# Altium PCB roach2.PcbDoc (part 6 of 39) (continued)
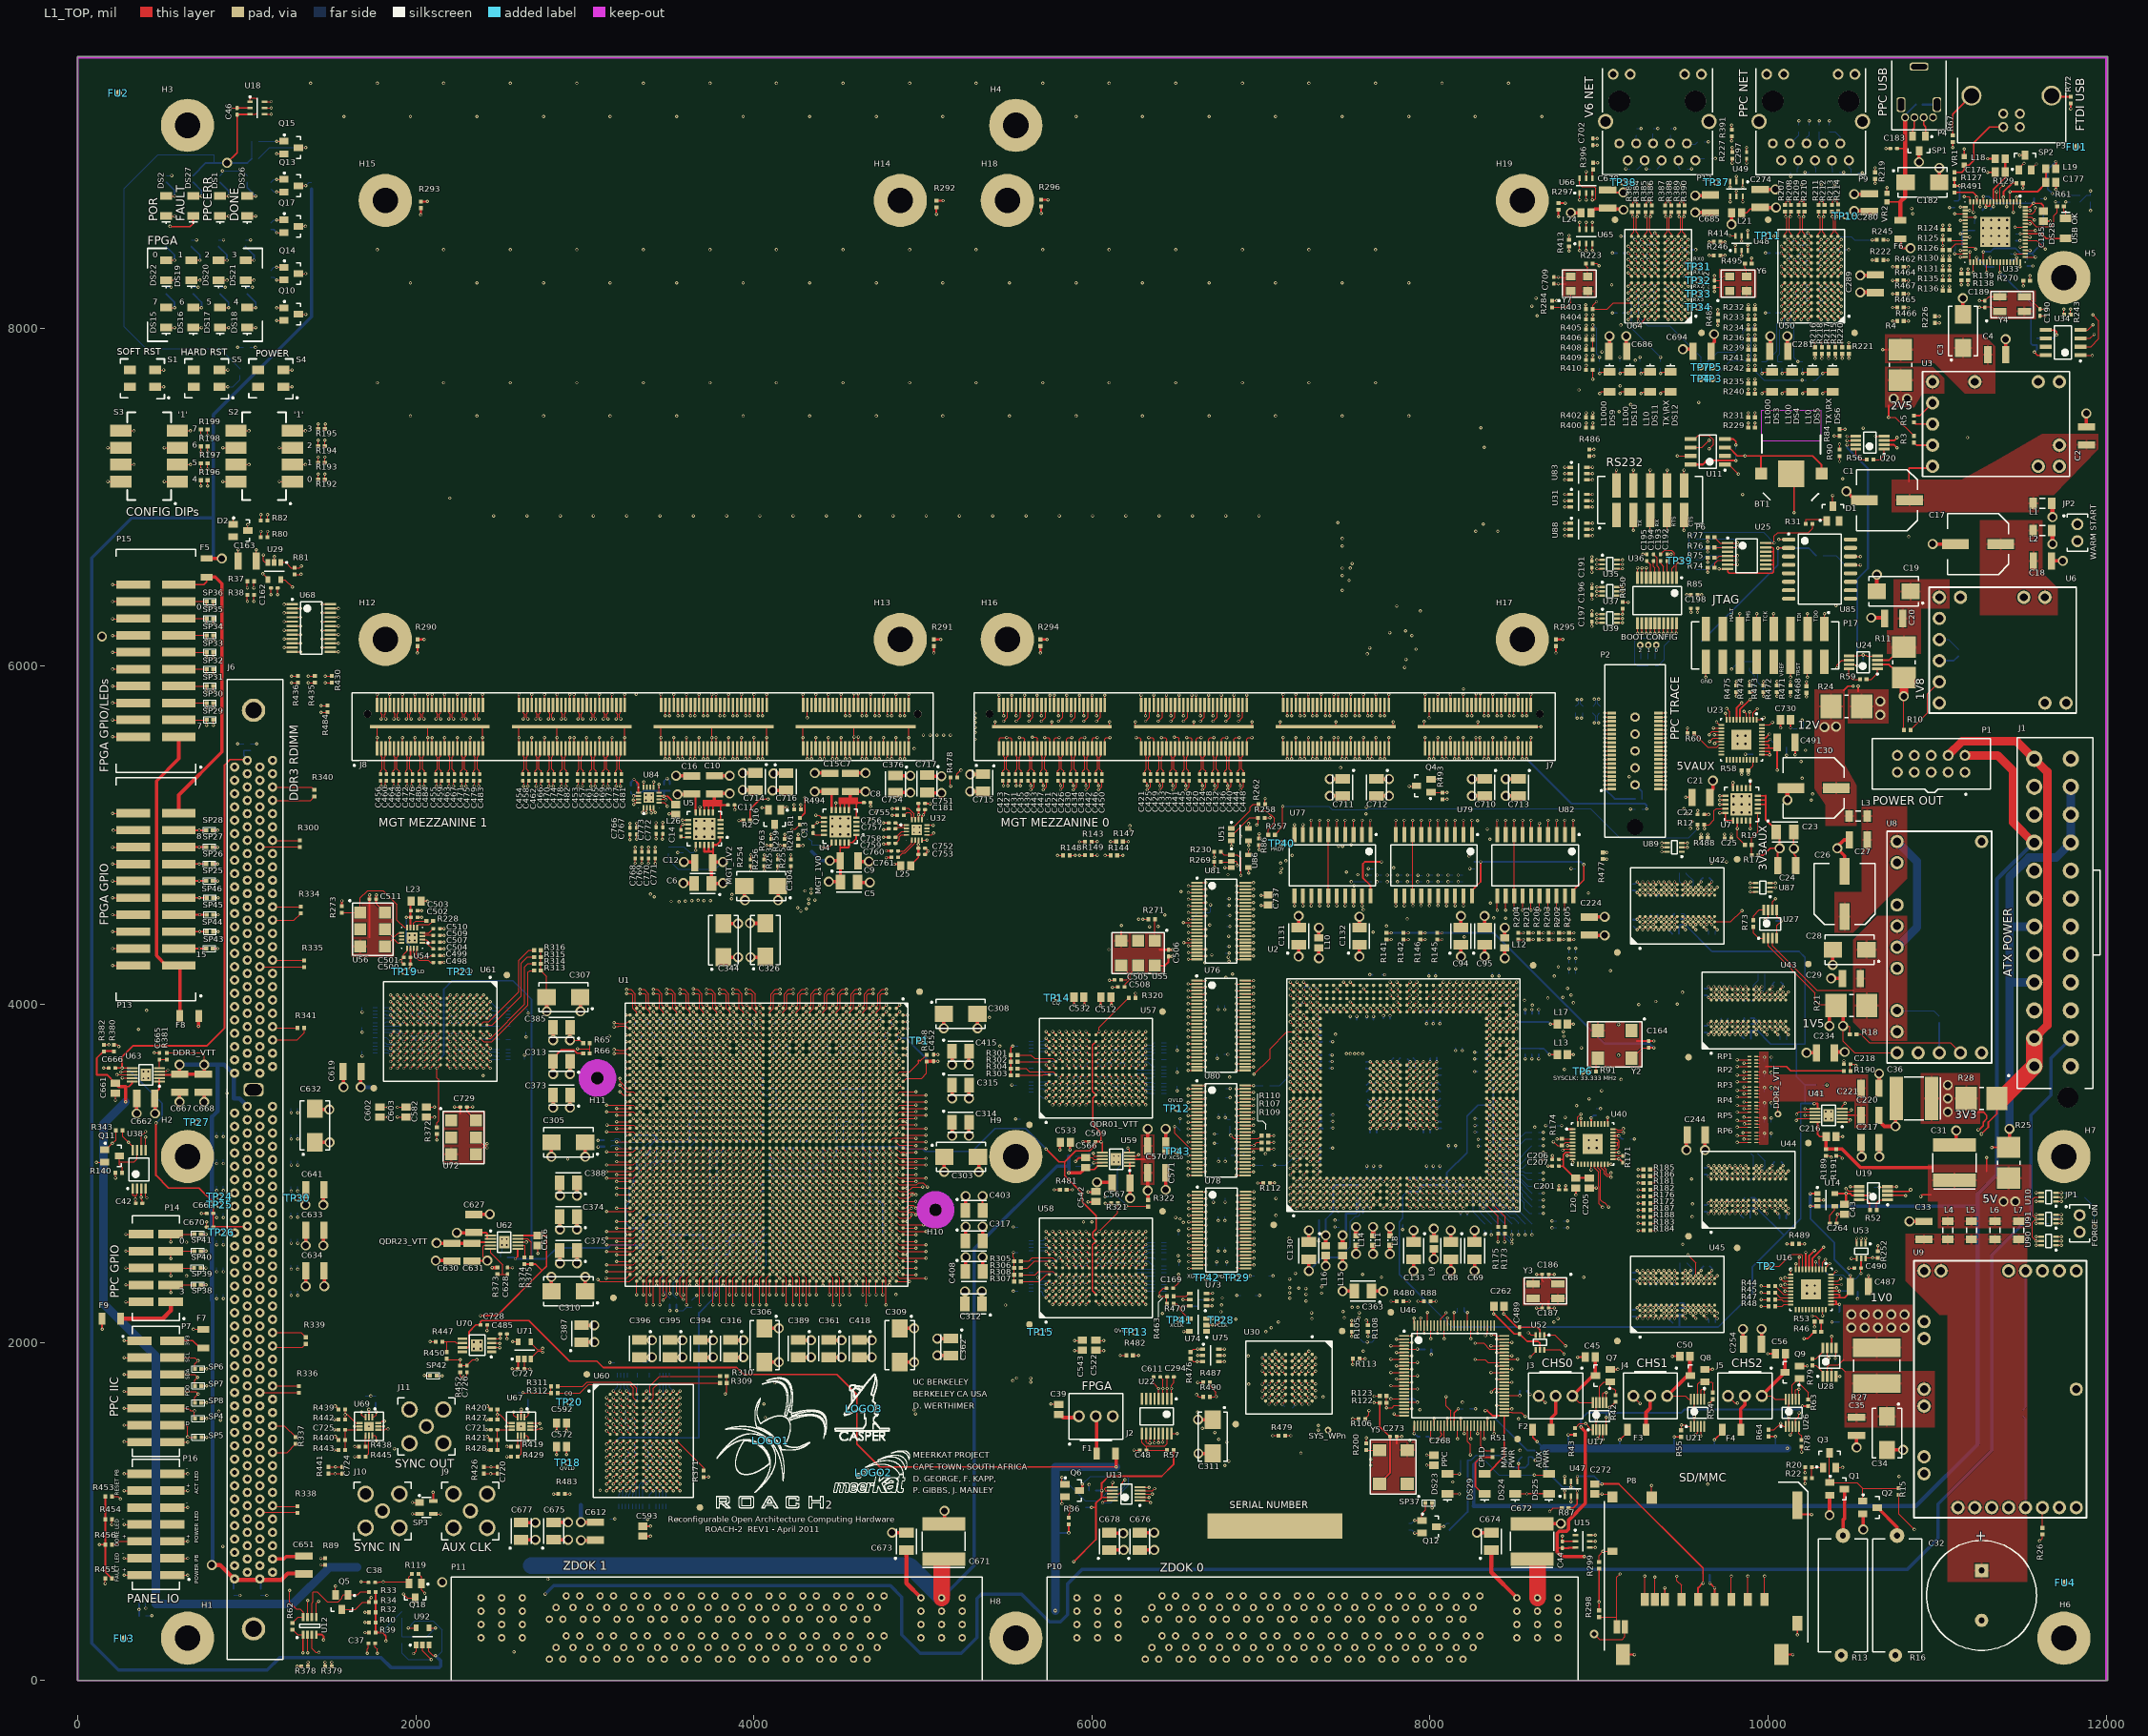
[diagram p0: L1_TOP view]
## Nets (pads, with @x,y where several pads share a name; then routed paths per layer and width w, separated by ;. In a path a pad name is that pad's centre, name@x,y a point inside that pad or via, vN(x,y) a via of type N, cw(c..) or ccw(c..) an arc to the next point about the centre after c; other vN are vias at no path point) (continued)
  L1_TOP w12: C662.2@456.14,3442.99 456.14,3472.52 481.73,3498.11 481.73,3561.34 U63.2@483.7,3563.31 ; 3791.99,5183.99 3796.99,5178.99 C11.2@3847.31,5178.99 ; 4595.99,5197.99 4600.99,5192.99 C8.2@4651.31,5192.99 ; v2@6114.99,3998.99 C512.2@6114.99,4030.99
  L1_TOP w20: v5(457.35,3354.14) C662.2@457.35,3409.14 ; v7(715,3870) 715.12,3870.12 F8.1@715.12,3930 ; v5(1347.99,2812.99) C641.2@1347.99,2898.58 ; v5(1348.35,2332.99) C634.2@1348.35,2418.58 ; v5(1348.35,2572.99) C633.2@1348.35,2658.58 ; C632.1@1404.37,3182.99 v5(1489.96,3182.99) ; v5(2242.99,2647.99) C627.2@2328.58,2647.99 ; v11(2912.99,3387.99) C373.1@2912.99,3473.58 ; v11(2952.99,2467.99) C375.1@2952.99,2553.58 ; v11(2952.99,2667.99) C374.1@2952.99,2753.58 ; C387.1@2970.52,2001.09 v11(3056.11,2001.09) ; C396.1@3312.4,2012.99 v11(3397.99,2012.99) ; C395.1@3492.4,2012.99 v11(3577.99,2012.99) ; C394.1@3672.4,2012.99 v11(3757.99,2012.99) ; 3766.99,5183.99 C10.2@3766.99,5245.84 ; C10.2@3771.4,5247.14 v5(3856.99,5247.14) ; v11(4115.99,5365.99) C716.1@4201.58,5365.99 ; 4570.99,5197.99 C7.2@4570.99,5259.84 ; C7.2@4575.4,5257.99 v5(4660.99,5257.99) ; C376.1@4840.4,5352.99 v5(4925.99,5352.99) ; C717.1@5024.4,5349.99 v5(5109.99,5349.99) ; v5(5172.99,3642.99) C415.1@5172.99,3728.58 ; C408.1@5252.99,2419.41 v5(5252.99,2505) ; C403.1@5252.99,2779.41 v5(5252.99,2865) ; v5@6222.99,2862.99 6226.14,2866.14 C567.2@6226.14,2942.99 ; v5(7562.99,2522.99) L14.1@7562.99,2568.46 ; v5@7662.99,2532.99 L11.1@7662.99,2568.46 ; C363.1@7667.52,2302.99 v5@7712.99,2302.99 ; C712.1@7672.4,5332.99 v11(7757.99,5332.99) ; v5(7762.99,2522.99) L8.1@7762.99,2568.46 ; v11(8447.99,5332.99) C713.1@8533.58,5332.99 ; v5(10362.99,3872.99) R21.2@10362.99,3952.99 ; v5(10442.99,3872.99) R21.2@10442.99,3952.99
  L3_S w5: v7(10775,1207) 10877,1105 11640.98,1105 U9.20@11722.99,1022.99
  L5_S w3.8: v1@4907.57,2716.54 v1@4909.14,2714.97
  L16_BOT w5: v8(862.68,2257.99) C636.2@862.68,2282.99 ; v8(862.68,2417.99) C635.2@862.68,2442.99 ; v8(862.68,2577.99) C640.2@862.68,2602.99 ; v8(862.68,2737.99) C642.2@862.68,2762.99 ; v8(862.68,2897.99) C638.2@862.68,2922.99 ; v8(862.68,3057.99) C637.2@862.68,3082.99 ; v8(862.68,3217.99) C639.2@862.68,3242.99 ; v8(1261.34,2739.99) C647.2@1261.34,2764.99 ; v8(1263.31,2277.99) C650.2@1263.31,2302.99 ; v8(1263.31,2432.28) C649.2@1263.31,2457.28 ; v8(1263.31,2586.56) C648.2@1263.31,2611.56 ; v8(1263.31,2895.13) C646.2@1263.31,2920.13 ; v8(1263.31,3049.42) C645.2@1263.31,3074.42 ; v8(1263.31,3203.71) C644.2@1263.31,3228.71 ; v8(1263.31,3357.99) C643.2@1263.31,3382.99 ; v2(3542.99,2187.99) 3583.99,2187.99 3602.67,2206.67 3631.36,2206.67 R325.2@3635,2210.31 ; R317.2@3624.69,3160 3660,3195.31 3660,3228 v1@3640,3248 ; v1(3798.31,3128.38) 3814.38,3128.38 3820,3134 3820,3155.31 R328.2@3824.69,3160 ; v1(4034.53,2419.72) 4075,2460.19 R319.2@4075,2550.31 ; R330.2@4075,3019.69 4089.69,3019.69 4098,3028 4350.76,3028 4372.41,3049.64 v1(4388.87,3049.64) ; R332.2@4529.69,3180 4529.69,3301.69 4536,3308 4563.58,3308 v1@4585.4,3286.19
  L16_BOT w10: v1@2008.41,3740.68 2028.09,3721 v1@2047.77,3740.68 ; v1@2008.4,3937.54 2028.09,3957.22 2067.46,3917.85 v1@2087.14,3937.54 ; v1@2126.51,3740.68 2127.5,3740.68 2146.16,3759.35 C577.2@2148.17,3761.36 ; C576.2@2182.62,3760.37 2202.3,3740.68 v1@2205.26,3740.68 ; v1@2205.26,3937.54 2224.94,3917.85 v1(2244.1,3937.01) v1@2244.63,3937.54 ; v1@2246.59,3737.73 2263.33,3721 C575.2@2264.31,3721 ; C575.2@2263.33,3720.02 v1@2284,3740.68 ; v1(2283.47,3937.01) C574.2@2303.15,3956.69 ; v1@3247.5,1280.06 C586.2@3228.35,1299.21 3227.82,1299.74 3267.19,1339.11 v1(3248.03,1358.27) v1@3247.5,1358.8 ; v1@3247.5,1476.91 3267.19,1496.59 v1(3248.03,1515.75) 3247.5,1516.28 C583.2@3228.35,1535.43 v1(3248.03,1555.12) ; v1@3287.4,2696.85 C369.2@3306.09,2715.54 C369.2@3307.09,2716.54 ; v1@3326.77,2972.44 C367.2@3346.46,2992.13 ; v1@3366.14,3287.4 C401.2@3384.84,3268.7 ; v1@3405.51,2736.22 C390.2@3425.19,2716.54 ; C587.2@3423.68,1419.82 3444.35,1399.15 v1@3444.35,1398.17 ; C588.2@3424.67,1454.27 3444.35,1473.96 v1@3444.35,1476.91 ; v1@3444.35,1280.06 3464.04,1299.74 v1(3444.88,1318.9) v1@3444.35,1319.43 ; v1@3444.35,1555.65 v1(3444.88,1555.12) C589.2@3464.57,1535.43 C589.2@3465.02,1534.98 ; v1@3444.88,2618.11 C377.2@3463.57,2636.8 C377.2@3464.57,2637.8 ; v1@3447.31,1518.25 3464.04,1534.98 C589.2@3464.04,1535.96 ; v1@3641.73,2421.26 C381.2@3660.42,2439.94 C381.2@3661.42,2440.94 ; v1@3720.47,2578.74 C379.2@3739.16,2597.43 C379.2@3740.16,2598.43 ; v1@3720.47,3405.51 C404.2@3739.17,3386.81 ; v1@3956.69,2657.48 C383.2@3975.38,2676.17 C383.2@3976.38,2677.17 ; C416.2@4331.69,3227.36 v1@4350.39,3208.66 ; C411.2@4370.08,3464.57 v1@4389.76,3484.25 ; C399.2@4371.06,3069.88 v1@4389.76,3051.18 ; C409.2@4489.17,3542.32 v1@4507.87,3523.62 ; C413.2@4566.93,3267.72 4585.4,3286.19 v1@4586.62,3287.4 ; C397.2@4567.92,2873.03 v1@4586.62,2854.33 ; v1@5885.3,2538.84 C523.2@5905.96,2559.51 ; v1(5885.83,2342.52) C530.2@5905.51,2322.83 ; v1(5885.83,3720.47) C515.2@5906.49,3741.14 ; C523.2@5904.98,2558.53 5905.97,2558.53 v1@5922.7,2541.79 ; C516.2@5905.51,3503.94 v1(5925.2,3523.62) C513.2@5944.88,3543.31 v1(5964.57,3523.62) ; C515.2@5905.51,3740.16 5906.5,3740.16 v1@5923.23,3723.43 ; v1@5924.67,2341.99 5944.35,2361.68 v1@5964.04,2341.99 ; v1@5964.04,2538.84 5966.99,2538.84 C524.2@5986.67,2519.16 ; v1(5964.57,3720.47) 5967.52,3720.47 C518.2@5987.2,3700.79 ; C525.2@6021.12,2518.17 6041.79,2538.84 v1@6042.78,2538.84 ; C514.2@6021.65,3699.8 6042.32,3720.47 v1(6043.31,3720.47) ; v1@6082.15,2341.99 6101.83,2361.68 6121.52,2341.99 6141.2,2322.31 C528.2@6141.73,2322.83 v1@6160.89,2341.99 ; v1(6082.68,3523.62) C517.2@6102.36,3543.31 v1(6122.05,3523.62) C520.2@6141.73,3503.94 v1(6161.42,3523.62) ; v1@6121.52,2538.84 6141.2,2558.53 v1@6160.89,2538.84 ; v1(6122.05,3720.47) C519.2@6141.73,3740.16 v1(6161.42,3720.47)
  L16_BOT w12: v2@3079.99,3157.99 R266.2@3115.31,3157.99 ; v2(3542.99,2187.99) R264.2@3542.99,2222.31 R264.2@3542.99,2223.31
  other v1: 3243.13,2439.41 4906.68,2715 3243.13,2833.11 4906.68,3108.7 3243.13,3226.81
  other v2: 6784.3,1922.99 6068.99,2010.99 3079.09,3156.46 2109.99,3391.99 6114.99,3994.99
  other v5: 7722.99,2302.99 7662.99,2522.99 6226.14,2852.99
1V5_PPC: C111.2 C112.2 C113.2 C114.2 C115.2 C116.2 C117.2 C118.2 C119.2 C120.2 C121.2 C122.2 C123.2 C124.2 C125.2 C126.2 C127.2 C128.2 C129.2 C132.1 C133.1 C136.2 C137.2 C138.2 C139.2 C140.2 C141.2 C142.2 C143.2 C144.2 C145.2 C146.2 C147.2 C148.2 C149.2 C150.2 C151.2 C152.2 C153.2 C154.2 L8.2 L11.2 L14.2 U2.AA5 U2.AA16 U2.AA19 U2.AA30 U2.AB5 U2.AB16 U2.AB19 U2.AB30 U2.AC5 U2.AC30 U2.AD5 U2.AD30 U2.AK11 U2.AK12 U2.AK13 U2.AK14 U2.AK15 U2.AK20 U2.AK21 U2.AK22 U2.AK23 U2.AK24 U2.E11 U2.E12 U2.E13 U2.E14 U2.E15 U2.E20 U2.E21 U2.E22 U2.E23 U2.E24 U2.L5 U2.L30 U2.M5 U2.M30 U2.N5 U2.N16 U2.N19 U2.N30 U2.P5 U2.P16 U2.P19 U2.P30 U2.R5 U2.R30 U2.T13 U2.T14 U2.T21 U2.T22 U2.W13 U2.W14 U2.W21 U2.W22 U2.Y5 U2.Y30 | length 3611.5
  L1_TOP w5: v1(7331.18,3187.4) U2.E11@7350.87,3207.09 ; v1(7331.18,3226.77) U2.E12@7350.87,3246.46 ; v1(7331.18,3266.14) U2.E13@7350.87,3285.83 ; v1(7331.18,3305.51) U2.E14@7350.87,3325.2 ; v1(7331.18,3344.88) U2.E15@7350.87,3364.57 ; v1(7331.18,3581.1) U2.E20@7350.87,3561.42 ; v1(7331.18,3620.47) U2.E21@7350.87,3600.79 ; v1(7331.18,3659.84) U2.E22@7350.87,3640.16 ; v1(7331.18,3699.21) U2.E23@7350.87,3679.53 ; v1(7331.18,3738.58) U2.E24@7350.87,3718.9 ; v1(7567.4,2951.18) U2.L5@7587.09,2970.87 ; v1(7567.4,3974.8) U2.L30@7587.09,3955.12 ; v1(7606.77,2951.18) U2.M5@7626.46,2970.87 ; v1(7606.77,3974.8) U2.M30@7626.46,3955.12 ; v1(7646.14,2951.18) U2.N5@7665.83,2970.87 ; v1(7646.14,3384.25) U2.N16@7665.83,3403.94 ; v1(7646.14,3541.73) U2.N19@7665.83,3522.05 ; v1(7646.14,3974.8) U2.N30@7665.83,3955.12 ; v1(7685.51,2951.18) U2.P5@7705.2,2970.87 ; v1(7685.51,3384.25) U2.P16@7705.2,3403.94 ; v1(7685.51,3541.73) U2.P19@7705.2,3522.05 ; v1(7685.51,3974.8) U2.P30@7705.2,3955.12 ; v1@7728.74,2955.04 U2.R5@7744.57,2970.87 ; v1@7728.74,3970.95 U2.R30@7744.57,3955.12 ; v1(7764.25,3266.14) U2.T13@7783.94,3285.83 ; v1(7764.25,3305.51) U2.T14@7783.94,3325.2 ; v1(7764.25,3620.47) U2.T21@7783.94,3600.79 ; v1(7764.25,3659.84) U2.T22@7783.94,3640.16 ; U2.W13@7902.05,3285.83 v1(7921.73,3266.14) ; U2.W14@7902.05,3325.2 v1(7921.73,3305.51) ; U2.W21@7902.05,3600.79 v1(7921.73,3620.47) ; U2.W22@7902.05,3640.16 v1(7921.73,3659.84) ; U2.Y5@7941.42,2970.87 v1(7961.1,2951.18) ; U2.Y30@7941.42,3955.12 v1(7961.1,3974.8) ; U2.AA5@7980.79,2970.87 v1(8000.47,2951.18) ; U2.AA16@7980.79,3403.94 v1(8000.47,3384.25) ; U2.AA19@7980.79,3522.05 v1(8000.47,3541.73) ; U2.AA30@7980.79,3955.12 v1(8000.47,3974.8) ; U2.AB5@8020.16,2970.87 v1(8039.84,2951.18) ; U2.AB16@8020.16,3403.94 v1(8039.84,3384.25) ; U2.AB19@8020.16,3522.05 v1(8039.84,3541.73) ; U2.AB30@8020.16,3955.12 v1(8039.84,3974.8) ; U2.AC5@8059.53,2970.87 v1(8079.21,2951.18) ; U2.AC30@8059.53,3955.12 v1(8079.21,3974.8) ; U2.AD5@8098.9,2970.87 v1(8118.58,2951.18) ; U2.AD30@8098.9,3955.12 v1(8118.58,3974.8) ; U2.AK11@8335.12,3207.09 v1(8354.8,3187.4) ; U2.AK12@8335.12,3246.46 v1(8354.8,3226.77) ; U2.AK13@8335.12,3285.83 v1(8354.8,3266.14) ; U2.AK14@8335.12,3325.2 v1(8354.8,3305.51) ; U2.AK15@8335.12,3364.57 v1(8354.8,3344.88) ; U2.AK20@8335.12,3561.42 v1(8354.8,3581.1) ; U2.AK21@8335.12,3600.79 v1(8354.8,3620.47) ; U2.AK22@8335.12,3640.16 v1(8354.8,3659.84) ; U2.AK23@8335.12,3679.53 v1(8354.8,3699.21) ; U2.AK24@8335.12,3718.9 v1(8354.8,3738.58)
  L1_TOP w20: v5@7582.99,4292.99 C132.1@7582.99,4338.46 ; C133.1@7902.99,2607.52 v5(7902.99,2662.99)
  L1_TOP w25: L14.2@7562.99,2630.55 v5(7562.99,2682.99) ; C132.1@7577.99,4357.99 7582.99,4352.99 C132.1@7582.99,4351.81 ; L11.2@7662.99,2630.55 v5(7662.99,2682.99) v5@7662.99,2697.99 ; L8.2@7762.99,2637.99 v5(7762.99,2682.99) v5@7762.99,2692.99
  L16_BOT w10: v1(7331.18,3266.14) 7362.2,3266.14 7363.78,3266.14 C125.2@7366.14,3263.78 ; v1(7331.18,3305.51) 7356.69,3305.51 7358.27,3307.09 C124.2@7362.2,3307.09 ; v1(7331.18,3344.88) 7355.91,3344.88 C123.2@7358.27,3342.52 ; v1(7331.18,3620.47) 7352.76,3620.47 7354.33,3622.05 C121.2@7358.27,3622.05 ; v1(7331.18,3659.84) 7352.76,3659.84 7354.33,3661.42 C120.2@7358.27,3661.42 ; v1(7331.18,3699.21) 7355.9,3699.21 7356.3,3698.82 7358.27,3696.85 C119.2@7358.27,3700.79 ; C153.2@7566.93,3909.45 v1(7566.93,3929.13) v1@7566.93,3933.07 ; v1@7602.36,2952.76 7603.78,2954.17 C127.2@7625.98,2976.38 ; C127.2@7625.98,2980.31 C127.2@7625.98,2976.38 ; C122.2@7625.98,3405.51 v1@7645.67,3385.83 ; C118.2@7625.98,3523.62 v1@7641.73,3539.37 ; v1@7645.67,3539.37 7646.14,3539.37 7649.61,3539.37 C115.2@7665.35,3523.62 7681.1,3539.37 v1@7685.04,3539.37 ; v1@7649.61,2952.76 7648.66,2953.7 v1@7645.67,2956.69 ; v1@7649.61,3381.89 7646.69,3384.8 v1@7645.67,3385.83 ; C128.2@7665.35,2980.31 C128.2@7665.35,2976.38 ; C152.2@7665.35,3909.45 v1(7665.35,3929.13) v1@7665.35,3933.07 ; v1@7681.1,2952.76 7682.52,2954.17 v1@7685.04,2956.69 ; v1@7685.04,3381.89 7685.04,3384.25 7685.04,3385.83 7666.34,3404.53 7665.35,3405.51 7664.37,3404.53 v1@7645.67,3385.83 ; C129.2@7704.72,2980.31 C129.2@7704.72,2976.38 ; v1@7724.41,2956.69 C129.2@7704.72,2976.38 ; v1@7763.78,3303.15 7779.53,3287.4 C113.2@7783.46,3287.4 v1@7767.72,3271.65 ; v1@7763.78,3622.05 C117.2@7783.46,3641.73 7764.8,3660.4 7763.78,3661.42 C154.2@7783.46,3681.1 ; C151.2@7763.78,3913.39 v1(7763.78,3933.07) v1@7763.78,3937.01 ; C116.2@7901.57,3641.73 C116.2@7902.56,3640.75 v1@7921.26,3622.05 ; C150.2@7901.57,3681.1 v1@7921.26,3661.42 ; C116.2@7909.45,3645.67 7909.45,3647.56 v1(7921.73,3659.84) ; v1@7921.26,3267.72 7902.07,3286.91 7901.57,3287.4 7905.51,3287.4 v1@7921.26,3303.15 ; v1@7960.63,3972.44 7960.63,3968.5 C149.2@7980.31,3948.82 v1@8001.97,3970.47 ; v1(7961.1,2951.18) 7961.1,2957.17 C137.2@7976.38,2972.44 ; C137.2@7980.31,2980.31 7980.31,2976.38 v1@8000.47,2956.22 ; v1@8000,3381.89 8001.42,3383.31 C126.2@8019.68,3401.57 ; v1@8000,3543.31 8001.02,3542.28 C138.2@8019.69,3523.62 8035.43,3539.37 v1@8039.37,3539.37 ; v1@8000,3972.44 v1@8001.97,3970.47 ; v1(8000.47,2951.18) v1@8000.47,2956.22 ; v1@8003.94,3972.44 8003.39,3971.89 v1@8001.97,3970.47 ; C111.2@8019.68,2980.31 8019.68,2976.38 C111.2@8023.62,2972.44 ; C148.2@8019.69,3948.82 C148.2@8019.69,3952.76 ; v1@8035.43,3976.38 8038.43,3973.39 v1@8039.37,3972.44 ; v1@8039.37,2956.69 C111.2@8023.62,2972.44 ; v1@8039.37,3385.83 8039.84,3385.83 8043.31,3385.83 C142.2@8059.05,3401.57 ; v1(8039.84,2951.18) 8039.84,2957.17 C136.2@8055.12,2972.44 ; v1@8043.31,3539.37 C146.2@8059.06,3523.62 ; C136.2@8059.05,2980.31 8059.05,2976.38 v1@8078.74,2956.69 ; v1@8078.74,3972.44 8078.74,3968.5 C147.2@8059.06,3948.82 8059.06,3952.76 v1@8039.37,3972.44 ; C143.2@8326.77,3602.36 C143.2@8330.71,3602.36 ; C139.2@8328.74,3244.09 C139.2@8332.68,3244.09 ; v1@8346.46,3696.85 C144.2@8326.77,3677.17 8330.71,3677.17 v1@8350.39,3657.48 ; v1@8350.39,3622.05 C143.2@8330.71,3602.36 ; v1@8350.39,3696.85 8330.71,3716.54 C145.2@8326.77,3716.54 8346.46,3736.22 v1@8350.39,3736.22 ; v1@8352.36,3224.41 C139.2@8332.68,3244.09 ; v1@8354.33,3265.75 v1@8350.39,3261.81 ; v1@8354.33,3578.74 8353.39,3579.69 C143.2@8330.71,3602.36 ; v1@8356.3,3346.46 v1(8354.8,3344.88) 8334.65,3324.8 C141.2@8328.74,3324.8 8348.43,3305.12 8354.8,3305.12 8356.3,3305.12 8355.75,3304.57 8334.65,3283.46 C140.2@8328.74,3283.46 v1@8350.39,3261.81 ; C127.2@7625.98,2976.38 v1@7645.67,2956.69 ; v1@7645.67,2956.69 C128.2@7665.35,2976.38 ; C128.2@7665.35,2976.38 v1@7685.04,2956.69 ; v1@7685.04,2956.69 C129.2@7704.72,2976.38 ; v1@8000.47,2956.22 8000.47,2957.17 8015.75,2972.44 8019.68,2972.44 C111.2@8023.62,2972.44 ; v1@8001.97,3970.47 C148.2@8019.69,3952.76 ; C148.2@8019.69,3952.76 v1@8039.37,3972.44 ; C139.2@8332.68,3244.09 v1@8350.39,3261.81
  other v1: 7724.9,2951.1 7724.9,3974.88
  other v5: 7582.99,4282.99
1V5MON: C28.1 C29.2 R21.1 U8.5 U8.9 U27.3 | length 637.4
  L1_TOP w5: U27.3@10025.79,4391.14 10025.79,4346.2 10289.43,4082.56 10508.99,4082.56
1V8: C199.2 C200.2 C201.2 C211.2 C217.2 C222.1 C224.2 C225.2 C226.2 C227.2 C228.2 C229.2 C230.2 C231.2 C232.1 C234.2 C235.2 C236.2 C237.2 C238.2 C239.2 C240.2 C241.2 C242.1 C244.2 C245.2 C246.2 C247.2 C248.2 C249.2 C250.2 C251.2 C252.1 C254.2 C255.2 C256.2 C257.2 C258.2 C259.2 C260.2 C261.2 C268.2 C269.2 C270.2 C364.2 C372.2 C406.2 C407.2 C532.2 C533.2 C534.2 C535.2 C536.2 C537.2 C538.2 C539.2 C540.2 C542.2 C543.2 C544.2 C545.2 C546.2 C547.2 C548.2 C549.2 C550.2 C592.2 C593.2 C594.2 C595.2 C596.2 C597.2 C598.2 C599.2 C600.2 C602.2 C603.2 C604.2 C605.2 C606.2 C607.2 C608.2 C609.2 C610.2 C677.1 C678.1 L9.1 L20.1 P10.W5 P10.X5 P10.Y5 P10.Z5 P11.W5 P11.X5 P11.Y5 P11.Z5 R10.2 R11.2 R171.2 R172.2 R176.2 R181.2 R182.2 R183.2 R184.2 R185.2 R186.2 R187.2 R188.2 U6.6 U8.14 U16.2 U24.2 U40.1 U40.6 U40.9 U40.15 U40.20 U40.21 U40.23 U40.28 U40.31 U40.36 U41.1 U41.2 U42.A1 U42.A9 U42.C1 U42.C3 U42.C7 U42.C9 U42.E1 U42.E9 U42.G1 U42.G3 U42.G7 U42.G9 U42.J1 U42.J9 U42.M9 U42.R1 U43.A1 U43.A9 U43.C1 U43.C3 U43.C7 U43.C9 U43.E1 U43.E9 U43.G1 U43.G3 U43.G7 U43.G9 U43.J1 U43.J9 U43.M9 U43.R1 U44.A1 U44.A9 U44.C1 U44.C3 U44.C7 U44.C9 U44.E1 U44.E9 U44.G1 U44.G3 U44.G7 U44.G9 U44.J1 U44.J9 U44.M9 U44.R1 U45.A1 U45.A9 U45.C1 U45.C3 U45.C7 U45.C9 U45.E1 U45.E9 U45.G1 U45.G3 U45.G7 U45.G9 U45.J1 U45.J9 U45.M9 U45.R1 U46.26 U46.57 U57.F5 U57.F7 U57.G5 U57.G7 U57.H5 U57.H7 U57.J5 U57.J7 U57.K5 U57.K7 U58.F5 U58.F7 U58.G5 U58.G7 U58.H5 U58.H7 U58.J5 U58.J7 U58.K5 U58.K7 U60.F5 U60.F7 U60.G5 U60.G7 U60.H5 U60.H7 U60.J5 U60.J7 U60.K5 U60.K7 U61.F5 U61.F7 U61.G5 U61.G7 U61.H5 U61.H7 U61.J5 U61.J7 U61.K5 U61.K7 | length 9327.6
  L1_TOP w5: C602.2@1799.99,3390.99 v2@1831.99,3390.99 ; v2@1893.99,3390.99 C603.2@1925.99,3390.99 ; v1(2047.24,3779.53) U61.K7@2066.93,3799.21 ; v1(2047.24,3897.64) U61.K5@2066.93,3877.95 ; v1(2086.61,3779.53) U61.J7@2106.3,3799.21 ; v1(2086.61,3897.64) U61.J5@2106.3,3877.95 ; v1(2125.98,3779.53) U61.H7@2145.67,3799.21 ; v1(2125.98,3897.64) U61.H5@2145.67,3877.95 ; U61.G7@2185.04,3799.21 v1(2204.73,3779.53) ; U61.G5@2185.04,3877.95 v1(2204.73,3897.64) ; U61.F7@2224.41,3799.21 v1(2244.1,3779.53) ; U61.F5@2224.41,3877.95 v1(2244.1,3897.64) ; v1(3287.4,1318.9) U60.K5@3307.09,1338.58 ; v1(3287.4,1358.27) U60.J5@3307.09,1377.95 ; v1(3287.4,1397.64) U60.H5@3307.09,1417.32 ; v1(3287.4,1476.38) U60.G5@3307.09,1456.69 ; v1(3287.4,1515.75) U60.F5@3307.09,1496.06 ; U60.K7@3385.83,1338.58 v1(3405.51,1318.9) ; U60.J7@3385.83,1377.95 v1(3405.51,1358.27) ; U60.H7@3385.83,1417.32 v1(3405.51,1397.64) ; U60.G7@3385.83,1456.69 v1(3405.51,1476.38) ; U60.F7@3385.83,1496.06 v1(3405.51,1515.75) ; v2@5898.99,2010.99 C543.2@5930.99,2010.99 ; v1(5925.2,2381.89) U58.F5@5944.88,2401.57 ; v1(5925.2,2500) U58.F7@5944.88,2480.31 ; v1(5925.2,3562.99) U57.F5@5944.88,3582.68 ; v1(5925.2,3681.1) U57.F7@5944.88,3661.42 ; v1(5964.57,2381.89) U58.G5@5984.25,2401.57 ; v1(5964.57,2500) U58.G7@5984.25,2480.31 ; v1(5964.57,3562.99) U57.G5@5984.25,3582.68 ; v1(5964.57,3681.1) U57.G7@5984.25,3661.42 ; U58.H5@6023.62,2401.57 v1(6043.31,2381.89) ; U58.H7@6023.62,2480.31 v1(6043.31,2500) ; U57.H5@6023.62,3582.68 v1(6043.31,3562.99) ; U57.H7@6023.62,3661.42 v1(6043.31,3681.1) ; U58.J5@6062.99,2401.57 v1(6082.68,2381.89) ; U58.J7@6062.99,2480.31 v1(6082.68,2500) ; U57.J5@6062.99,3582.68 v1(6082.68,3562.99) ; U57.J7@6062.99,3661.42 v1(6082.68,3681.1) ; U58.K5@6102.36,2401.57 v1(6122.05,2381.89) ; U58.K7@6102.36,2480.31 v1(6122.05,2500) ; U57.K5@6102.36,3582.68 v1(6122.05,3562.99) ; U57.K7@6102.36,3661.42 v1(6122.05,3681.1) ; v3(7906.77,1461.52) U46.26@7906.77,1506.73 ; v2(7980.73,1332.52) C268.2@8022.99,1332.52 ; U46.57@8439.25,1684.88 8484.46,1684.88 8484.57,1684.99 v2(8530.99,1684.99) ; v2(8952.99,3020.67) U40.15@8952.99,3040.99 ; U40.20@9051.57,3053.9 v3(9071.9,3053.9) ; v4(9226.38,2141.73) U45.A1@9242.13,2157.48 ; v4(9226.38,2425.2) U45.A9@9242.13,2409.45 ; v4(9226.38,4440.94) U42.A1@9242.13,4456.69 ; v4(9226.38,4724.41) U42.A9@9242.13,4708.66 ; v4(9289.37,2141.73) U45.C1@9305.12,2157.48 ; v4(9289.37,2204.72) U45.C3@9305.12,2220.47 ; v4(9289.37,2362.2) U45.C7@9305.12,2346.46 ; v4(9289.37,2425.2) U45.C9@9305.12,2409.45 ; v4(9289.37,4440.94) U42.C1@9305.12,4456.69 ; v4(9289.37,4503.94) U42.C3@9305.12,4519.68 ; v4(9289.37,4661.42) U42.C7@9305.12,4645.67 ; v4(9289.37,4724.41) U42.C9@9305.12,4708.66 ; R181.2@9302.36,2942.99 9333.86,2942.99 ; R186.2@9302.36,2982.99 9333.86,2982.99 ; R185.2@9302.36,3022.99 9333.86,3022.99 9334.17,3022.68 9334.17,2902.99 ; R184.2@9302.68,2662.99 v2(9334.17,2662.99) 9334.17,2702.99 ; R183.2@9302.68,2702.99 9334.17,2702.99 ; R188.2@9302.68,2742.99 9334.17,2742.99 ; R187.2@9302.68,2782.99 9334.17,2782.99 ; R172.2@9302.68,2822.99 9334.17,2822.99 ; R176.2@9302.68,2862.99 9334.17,2862.99 ; R182.2@9302.68,2902.99 9334.17,2902.99 ; v4(9352.36,2141.73) U45.E1@9368.11,2157.48 ; v4(9352.36,2425.2) U45.E9@9368.11,2409.45 ; v4(9352.36,4440.94) U42.E1@9368.11,4456.69 ; v4(9352.36,4724.41) U42.E9@9368.11,4708.66 ; v4(9415.35,2141.73) U45.G1@9431.1,2157.48 ; v4(9415.35,2204.72) U45.G3@9431.1,2220.47 ; v4(9415.35,2362.2) U45.G7@9431.1,2346.46 ; v4(9415.35,2425.2) U45.G9@9431.1,2409.45 ; v4(9415.35,4440.94) U42.G1@9431.1,4456.69 ; v4(9415.35,4503.94) U42.G3@9431.1,4519.68 ; v4(9415.35,4661.42) U42.G7@9431.1,4645.67 ; v4(9415.35,4724.41) U42.G9@9431.1,4708.66 ; U45.J1@9494.09,2157.48 v4(9509.84,2141.73) ; U45.J9@9494.09,2409.45 v4(9509.84,2425.2) ; U42.J1@9494.09,4456.69 v4(9509.84,4440.94) ; U42.J9@9494.09,4708.66 v4(9509.84,4724.41) ; U45.M9@9588.58,2409.45 v4(9604.33,2425.2) ; U42.M9@9588.58,4708.66 v4(9604.33,4724.41) ; v4(9647.64,2761.81) U44.A1@9663.39,2777.56 ; v4(9647.64,3045.28) U44.A9@9663.39,3029.53 ; v4(9647.64,3820.87) U43.A1@9663.39,3836.61 ; v4(9647.64,4104.33) U43.A9@9663.39,4088.58 ; U45.R1@9683.07,2157.48 v4(9698.82,2141.73) ; U42.R1@9683.07,4456.69 v4(9698.82,4440.94) ; v4(9710.63,2761.81) U44.C1@9726.38,2777.56 ; v4(9710.63,2824.8) U44.C3@9726.38,2840.55 ; v4(9710.63,2982.28) U44.C7@9726.38,2966.54 ; v4(9710.63,3045.28) U44.C9@9726.38,3029.53 ; v4(9710.63,3820.87) U43.C1@9726.38,3836.61 ; v4(9710.63,3883.86) U43.C3@9726.38,3899.61 ; v4(9710.63,4041.34) U43.C7@9726.38,4025.59 ; v4(9710.63,4104.33) U43.C9@9726.38,4088.58 ; v4(9773.62,2761.81) U44.E1@9789.37,2777.56 ; v4(9773.62,3045.28) U44.E9@9789.37,3029.53 ; v4(9773.62,3820.87) U43.E1@9789.37,3836.61 ; v4(9773.62,4104.33) U43.E9@9789.37,4088.58 ; v4(9836.61,2761.81) U44.G1@9852.36,2777.56 ; v4(9836.61,2824.8) U44.G3@9852.36,2840.55 ; v4(9836.61,2982.28) U44.G7@9852.36,2966.54 ; v4(9836.61,3045.28) U44.G9@9852.36,3029.53 ; v4(9836.61,3820.87) U43.G1@9852.36,3836.61 ; v4(9836.61,3883.86) U43.G3@9852.36,3899.61 ; v4(9836.61,4041.34) U43.G7@9852.36,4025.59 ; v4(9836.61,4104.33) U43.G9@9852.36,4088.58 ; U44.J1@9915.35,2777.56 v4(9931.1,2761.81) ; U44.J9@9915.35,3029.53 v4(9931.1,3045.28) ; U43.J1@9915.35,3836.61 v4(9931.1,3820.87) ; U43.J9@9915.35,4088.58 v4(9931.1,4104.33) ; U44.M9@10009.84,3029.53 v4(10025.59,3045.28) ; U43.M9@10009.84,4088.58 v4(10025.59,4104.33) ; U44.R1@10104.33,2777.56 v4(10120.08,2761.81) ; U43.R1@10104.33,3836.61 v4(10120.08,3820.87) ; U16.2@10321.89,2432.09 10321.89,2472.89 v7(10340,2491) ; U41.1@10438.7,3303.62 10479.62,3303.62 v2@10486.99,3310.99 ; U41.2@10438.7,3323.31 10478.68,3323.31 v2(10486.99,3314.99) ; v5(10802.99,5822.99) 10803.31,5822.68 R10.2@10803.31,5622.99 ; 9334.17,2702.99 9334.17,2742.99 ; 9334.17,2742.99 9334.17,2782.99 ; 9334.17,2782.99 9334.17,2822.99 ; 9334.17,2822.99 9334.17,2862.99 ; 9334.17,2862.99 9334.17,2902.99
  L1_TOP w8: v3(8810.99,3104.09) U40.9@8843.9,3104.09
  L1_TOP w10: v2(2892.52,1476.99) C592.2@2892.52,1522.99 ; C593.2@3342.99,853.46 v2(3388.99,853.46) ; C201.2@8802.68,2902.99 8802.68,2926.68 v3(8802.99,2926.99) ; v2(8808.99,3261.42) 8809.15,3261.57 U40.1@8843.9,3261.57 ; v3(8812.99,3163.31) 8813.31,3162.99 U40.6@8836.99,3162.99 ; L20.1@8862.99,2913.46 8862.99,2872.72 v2(8863.15,2872.56) ; v2(8952.99,3326.99) 8953.15,3326.83 U40.36@8953.15,3292.09 ; v2(9050.83,3329.9) 9050.99,3329.74 U40.31@9050.99,3294.99 ; U40.21@9082.09,3084.41 9116.83,3084.41 v2(9116.99,3084.57) 9121.73,3084.57 R171.2@9142.99,3063.31 ; U40.23@9082.09,3123.78 9116.83,3123.78 v2(9116.99,3123.94) ; U40.28@9082.09,3222.2 9116.83,3222.2 v2(9116.99,3222.36) ; U24.2@10646.65,6010.2 10715.79,6010.2 R11.2@10742.99,5982.99
  L1_TOP w12: v2@5870.08,3141.23 C533.2@5870.08,3173.23 ; v2@5894.99,3998.99 C532.2@5894.99,4030.99 ; v2@5979.81,2830.71 C542.2@6011.81,2830.71
  L1_TOP w20: C677.1@2622.99,831.81 v5(2708.58,831.81) ; C678.1@6102.99,771.81 v5(6188.58,771.81) ; v5@8022.99,2477.99 v5(8022.99,2492.99) L9.1@8022.99,2548.46 ; C224.2@8977.52,4407.99 v5@9022.99,4407.99 ; v5@9516.99,3147.99 C244.2@9516.99,3193.46 ; C254.2@9850.99,2023.52 v5@9850.99,2068.99 ; v5@10237.99,3712.99 C234.2@10283.46,3712.99 ; v5(10552.99,3097.99) 10552.99,3182.99 C217.2@10552.99,3187.99
  L1_TOP w50: v5(10802.99,5822.99) R11.2@10802.99,5882.99
  L9_R w5: v5(10227.99,3712.99) 10322.99,3617.99 10600.99,3617.99 10620.99,3637.99 11187.99,3637.99 U8.14@11262.99,3712.99 ; v5(10802.99,5822.99) 10802.99,6072.99 U6.6@11012.99,6282.99
  L16_BOT w5: C364.2@9687.38,4411.92 9687.38,4429.5 v4(9698.82,4440.94) ; v4(9710.63,2982.28) 9720.38,2972.54 9720.38,2956.76 C247.2@9718.64,2955.02 ; v4(9836.61,2982.28) 9836.61,2971.37 9850.99,2956.99 C251.2@9854.47,2956.99 ; C239.2@10110.67,3790.04 10110.67,3811.46 v4(10120.08,3820.87)
  L16_BOT w10: C599.2@2028.09,3799.74 2029.07,3798.76 v1@2047.77,3780.06 ; v1@2047.77,3898.17 2067.46,3878.48 v1(2086.61,3897.64) 2087.14,3898.17 2106.83,3878.48 v1(2125.98,3897.64) v1@2126.51,3898.17 ; v1@2087.14,3780.05 C598.2@2106.3,3799.21 2106.83,3799.74 v1@2126.51,3780.06 ; v1@2205.26,3898.17 2224.94,3878.48 2243.64,3897.18 2243.64,3897.64 v1@2243.64,3899.15 ; C595.2@2226.91,3797.77 v1@2244.63,3780.06 ; v1@2245.61,3898.17 2245.61,3897.64 2245.61,3897.18 C596.2@2264.31,3878.48 ; v1@3285.89,1515.29 3287.4,1515.29 3287.86,1515.29 3306.56,1496.59 v1@3286.87,1476.91 ; v1@3286.87,1319.43 3306.56,1339.11 v1(3287.4,1358.27) 3286.87,1358.8 3306.06,1377.99 3306.56,1378.48 v1(3287.4,1397.64) v1@3286.87,1398.17 ; v1@3286.87,1517.26 3287.4,1517.26 3287.86,1517.26 C610.2@3306.56,1535.96 ; C605.2@3385.3,1299.74 v1@3404.98,1319.43 ; v1@3404.98,1358.8 3386.32,1377.46 3385.3,1378.48 3385.79,1378.98 v1@3404.98,1398.17 ; v1@3404.98,1516.28 3387.27,1498.56 3387.27,1496.06 3387.27,1494.62 v1(3405.51,1476.38) ; C544.2@5904.98,2401.05 5923.68,2382.35 5923.68,2381.89 v1@5923.68,2381.36 ; C535.2@5905.51,3582.68 5924.21,3563.98 v1@5924.21,3562.99 ; v1@5924.67,2499.47 C550.2@5942.38,2481.75 ; v1(5925.2,3681.1) C538.2@5942.91,3663.39 ; v1@5925.65,2380.38 5925.65,2381.89 5925.65,2382.35 5944.35,2401.05 v1@5964.04,2381.36 ; v1@5926.18,3562.01 5926.18,3562.99 5926.18,3563.98 C537.2@5944.88,3582.68 v1(5964.57,3562.99) ; v1@6042.78,2381.36 v1(6043.31,2381.89) 6062.46,2401.05 6082.15,2381.36 v1(6082.68,2381.89) 6101.83,2401.04 v1@6121.52,2381.36 ; v1@6042.78,2499.47 6062.46,2479.79 C549.2@6062.99,2480.31 v1@6082.15,2499.47 ; v1(6043.31,3562.99) C540.2@6062.99,3582.68 v1(6082.68,3562.99) C536.2@6102.36,3582.68 v1(6122.05,3562.99) ; v1(6043.31,3681.1) C534.2@6062.99,3661.42 v1(6082.68,3681.1) ; v1@6121.52,2499.47 C548.2@6141.2,2479.79 ; v1(6122.05,3681.1) C539.2@6141.73,3661.42 ; v2(7837.99,2667.99) 7838.58,2668.58 C211.2@7838.58,2694.88 ; v3(7906.77,1461.52) 7925.3,1442.99 C270.2@7938.31,1442.99 ; v2(8952.99,3326.99) 8969.31,3343.31 C200.2@8982.99,3343.31 ; v2(9116.99,3222.36) 9136.36,3202.99 C199.2@9143.31,3202.99 ; C256.2@9197.99,2153.31 9217.68,2153.31 v4@9227.82,2143.17 ; C255.2@9197.99,2412.68 9212.68,2412.68 v4@9222.99,2422.99 ; C230.2@9197.99,4712.68 9212.68,4712.68 v4@9222.99,4722.99 ; C229.2@9203.19,4461.29 9204.69,4461.29 v4@9222.99,4442.99 ; v4@9227.82,2143.16 v4@9227.99,2142.99 ; v4@9292.99,2207.99 9292.99,2217.68 C258.2@9303.31,2227.99 ; v4@9292.99,2357.99 9299.85,2351.13 C257.2@9299.85,2335.11 ; v4@9292.99,4502.99 9305.55,4515.55 C228.2@9305.55,4532.16 ; v4@9292.99,4657.99 9292.99,4648.31 C226.2@9303.31,4637.99 ; v4@9412.99,2142.99 9412.99,2141.73 9412.99,2137.33 C252.1@9435.68,2114.64 ; v4@9412.99,4442.99 9412.99,4440.94 9412.99,4438.31 C222.1@9433.31,4417.99 ; v4(9415.35,2204.72) 9415.35,2215.35 C260.2@9427.99,2227.99 ; v4@9417.99,2362.99 9442.99,2337.99 C259.2@9448.31,2337.99 ; v4@9417.99,4657.99 9437.59,4638.4 9442.91,4638.4 C225.2@9443.34,4638.4 ; v4@9602.99,4722.99 9602.99,4724.41 9602.99,4737.68 C231.2@9613.31,4747.99 ; v4@9607.99,2422.99 9607.99,2425.2 9607.99,2440.5 C261.2@9616.78,2449.29 ; C246.2@9622.99,2773.31 9637.68,2773.31 v4@9642.99,2767.99 ; C406.2@9622.99,3032.68 9637.68,3032.68 v4@9642.99,3037.99 ; C237.2@9622.99,3833.31 9637.68,3833.31 v4@9647.99,3822.99 ; C236.2@9622.99,4092.68 9637.68,4092.68 v4@9647.99,4102.99 ; C407.2@9687.68,2117.99 9687.68,2132.68 9697.78,2142.78 v4@9697.99,2142.99 ; v4@9712.99,3887.99 9721.87,3896.87 C235.2@9721.87,3917.25 ; v4@9712.99,4037.99 9712.99,4028.31 C240.2@9723.31,4017.99 ; v4@9717.99,2827.99 9723.31,2833.31 C249.2@9723.31,2847.99 ; v4@9832.99,4042.99 9835.63,4040.35 9856.44,4019.55 9863.19,4019.55 C238.2@9863.6,4019.55 ; v4@9837.99,2762.99 9837.99,2761.81 9837.99,2753 C242.1@9854.47,2736.52 ; v4@9837.99,2827.99 9860.37,2850.37 C245.2@9860.37,2854.63 ; v4@9837.99,3817.99 9838.31,3817.99 C232.1@9858.31,3797.99 ; v4@9837.99,3882.99 9858.31,3903.31 C241.2@9858.31,3917.99 ; v4@10027.99,3047.99 10027.99,3057.68 C248.2@10038.31,3067.99 ; v4@10027.99,4107.99 10027.99,4122.97 C372.2@10036.77,4131.75 ; C250.2@10107.68,2732.99 10107.68,2752.68 v4@10117.99,2762.99
  L16_BOT w12: v2(8530.99,1684.99) 8530.99,1710.68 C269.2@8533.31,1712.99 ; v4(9415.35,4503.94) 9415.35,4506.14 C227.2@9445.31,4536.1
  other v2: 5896.99,2010.99 5977.81,2830.71 5870.08,3139.23 1833.99,3390.99 1891.99,3390.99 5894.99,3996.99
  other v5: 9850.99,2078.99 9516.99,3137.99 9032.99,4407.99